# KiCad board ts52k.kicad_pcb (continued)
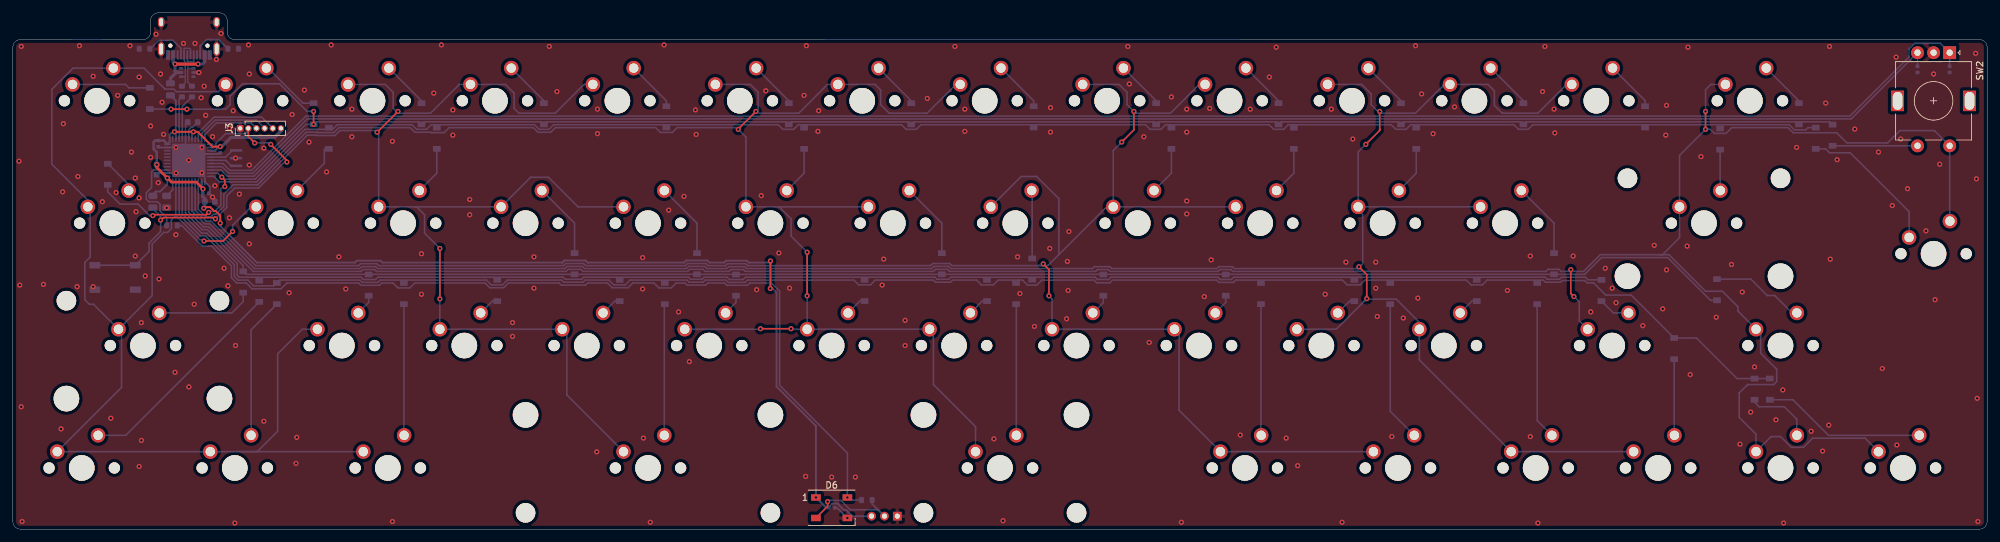
[diagram p0: board, top side]
## Copper pours and planes (outline as drawn; the poured copper is in the pictures) (continued)
col3 on Bottom: 111.54,69.34 111.28,69.36 111.06,69.4 110.88,69.46 110.73,69.54 110.59,69.64 110.46,69.75 110.33,69.87 110.18,69.99 110,70.11 109.79,70.23 108.74,69.22 109.79,68.2 110,68.32 110.18,68.44 110.33,68.56 110.46,68.68 110.59,68.79 110.73,68.89 110.88,68.97 111.06,69.03 111.28,69.08 111.54,69.09
col3 on Bottom: 149.66,14.31 149.64,14.04 149.6,13.83 149.54,13.65 149.45,13.49 149.36,13.36 149.25,13.23 149.13,13.09 149.01,12.95 148.89,12.77 148.77,12.56 149.78,11.5 150.79,12.56 150.68,12.77 150.56,12.95 150.43,13.09 150.32,13.23 150.21,13.36 150.11,13.49 150.03,13.65 149.96,13.83 149.92,14.04 149.91,14.31
col3 on Bottom: 140.39,30.99 140.66,30.98 140.88,30.93 141.06,30.87 141.21,30.79 141.34,30.69 141.47,30.58 141.61,30.46 141.76,30.34 141.93,30.22 142.15,30.1 143.2,31.12 142.15,32.13 141.93,32.01 141.76,31.89 141.61,31.77 141.47,31.65 141.34,31.54 141.21,31.44 141.06,31.36 140.88,31.3 140.66,31.26 140.39,31.24
col3 on Bottom: 143.36,29.04 143.37,29.33 143.4,29.57 143.45,29.77 143.5,29.95 143.56,30.12 143.62,30.28 143.67,30.45 143.72,30.64 143.75,30.86 143.76,31.12 142.34,31.59 142.04,30.16 142.21,30.06 142.37,29.98 142.53,29.9 142.67,29.83 142.79,29.75 142.9,29.66 142.99,29.55 143.05,29.42 143.09,29.25 143.11,29.04
col4 on Bottom: 163.93,31.24 163.67,31.26 163.45,31.3 163.27,31.36 163.12,31.44 162.98,31.54 162.85,31.65 162.72,31.77 162.57,31.89 162.39,32.01 162.18,32.13 161.12,31.12 162.18,30.1 162.39,30.22 162.57,30.34 162.72,30.46 162.85,30.58 162.98,30.69 163.12,30.79 163.27,30.87 163.45,30.93 163.67,30.98 163.93,30.99
col4 on Bottom: 178.49,30.99 178.76,30.98 178.98,30.93 179.16,30.87 179.31,30.79 179.44,30.69 179.57,30.58 179.71,30.46 179.86,30.34 180.03,30.22 180.25,30.1 181.3,31.12 180.25,32.13 180.03,32.01 179.86,31.89 179.71,31.77 179.57,31.65 179.44,31.54 179.31,31.44 179.16,31.36 178.98,31.3 178.76,31.26 178.49,31.24
col4 on Bottom: 209.45,11.94 209.72,11.93 209.93,11.88 210.11,11.82 210.26,11.74 210.4,11.64 210.53,11.53 210.66,11.41 210.81,11.29 210.99,11.17 211.2,11.05 212.26,12.07 211.2,13.08 210.99,12.96 210.81,12.84 210.66,12.72 210.53,12.6 210.4,12.49 210.26,12.39 210.11,12.31 209.93,12.25 209.72,12.2 209.45,12.19
col4 on Bottom: 153.66,51.84 153.46,51.66 153.28,51.54 153.11,51.46 152.94,51.41 152.78,51.38 152.61,51.37 152.43,51.36 152.24,51.34 152.03,51.3 151.79,51.23 151.76,49.77 153.22,49.8 153.29,50.03 153.33,50.24 153.35,50.43 153.36,50.61 153.38,50.78 153.4,50.94 153.45,51.11 153.53,51.28 153.66,51.47 153.84,51.66
col4 on Bottom: 171.09,52.41 171.07,52.14 171.03,51.93 170.97,51.75 170.88,51.59 170.79,51.46 170.68,51.33 170.56,51.2 170.44,51.05 170.32,50.87 170.2,50.66 171.21,49.6 172.22,50.66 172.11,50.87 171.99,51.05 171.86,51.2 171.75,51.33 171.64,51.46 171.54,51.59 171.46,51.75 171.39,51.93 171.35,52.14 171.34,52.41
col4 on Bottom: 181.58,29.12 181.58,29.39 181.61,29.63 181.64,29.82 181.68,30 181.72,30.16 181.76,30.32 181.8,30.48 181.83,30.66 181.85,30.87 181.86,31.12 180.38,31.55 180.26,30.1 180.43,30.02 180.6,29.96 180.75,29.9 180.89,29.84 181.01,29.78 181.12,29.69 181.21,29.59 181.27,29.47 181.31,29.31 181.33,29.12
col4 on Bottom: 190.13,12.19 189.86,12.2 189.64,12.25 189.46,12.31 189.31,12.39 189.17,12.49 189.04,12.6 188.91,12.72 188.76,12.84 188.58,12.96 188.37,13.08 187.32,12.07 188.37,11.05 188.58,11.17 188.76,11.29 188.91,11.41 189.04,11.53 189.17,11.64 189.31,11.74 189.46,11.82 189.64,11.88 189.86,11.93 190.13,11.94
col4 on Bottom: 183.68,68.13 183.84,68.27 183.98,68.36 184.12,68.4 184.26,68.42 184.4,68.4 184.54,68.37 184.68,68.31 184.84,68.25 185.01,68.19 185.19,68.13 186.05,69.31 184.7,70.01 184.53,69.82 184.4,69.65 184.3,69.49 184.21,69.34 184.14,69.19 184.06,69.04 183.97,68.88 183.85,68.71 183.7,68.52 183.51,68.31
col4 on Bottom: 169.38,49.19 169.53,49.32 169.67,49.4 169.8,49.44 169.93,49.45 170.06,49.43 170.19,49.39 170.33,49.33 170.64,49.19 170.81,49.12 171.77,50.21 170.42,50.96 170.25,50.78 170.12,50.62 170.01,50.47 169.92,50.33 169.84,50.19 169.76,50.05 169.66,49.9 169.54,49.74 169.39,49.57 169.21,49.37
col4 on Bottom: 188.02,50.04 188.28,50.03 188.5,49.98 188.68,49.92 188.83,49.84 188.97,49.74 189.1,49.63 189.23,49.51 189.38,49.39 189.56,49.27 189.77,49.15 190.82,50.17 189.77,51.18 189.56,51.06 189.38,50.94 189.23,50.82 189.1,50.7 188.97,50.59 188.83,50.49 188.68,50.41 188.5,50.35 188.28,50.31 188.02,50.29
col4 on Bottom: 186.2,13.56 186.38,13.37 186.51,13.18 186.59,13.01 186.64,12.84 186.66,12.68 186.68,12.51 186.69,12.33 186.71,12.14 186.75,11.93 186.82,11.7 188.28,11.67 188.25,13.13 188.02,13.2 187.81,13.24 187.61,13.26 187.44,13.27 187.27,13.28 187.1,13.31 186.94,13.36 186.76,13.44 186.58,13.56 186.38,13.74
col4 on Bottom: 168.69,69.34 168.43,69.36 168.21,69.4 168.03,69.46 167.88,69.54 167.74,69.64 167.61,69.75 167.48,69.87 167.33,69.99 167.15,70.11 166.94,70.23 165.89,69.22 166.94,68.2 167.15,68.32 167.33,68.44 167.48,68.56 167.61,68.68 167.74,68.79 167.88,68.89 168.03,68.97 168.21,69.03 168.43,69.08 168.69,69.09
col4 on Bottom: 161.56,33.36 161.55,33.09 161.51,32.88 161.44,32.7 161.36,32.54 161.26,32.41 161.15,32.28 161.03,32.15 160.91,32 160.79,31.82 160.67,31.61 161.69,30.55 162.7,31.61 162.58,31.82 162.46,32 162.34,32.15 162.22,32.28 162.11,32.41 162.01,32.54 161.93,32.7 161.87,32.88 161.83,33.09 161.81,33.36
col4 on Bottom: 173.46,50.29 173.19,50.31 172.97,50.35 172.79,50.41 172.64,50.49 172.51,50.59 172.38,50.7 172.24,50.82 172.09,50.94 171.92,51.06 171.7,51.18 170.65,50.17 171.7,49.15 171.92,49.27 172.09,49.39 172.24,49.51 172.38,49.63 172.51,49.74 172.64,49.84 172.79,49.92 172.97,49.98 173.19,50.03 173.46,50.04
col5 on Bottom: 202.03,31.24 201.77,31.26 201.55,31.3 201.37,31.36 201.22,31.44 201.08,31.54 200.95,31.65 200.82,31.77 200.67,31.89 200.49,32.01 200.28,32.13 199.22,31.12 200.28,30.1 200.49,30.22 200.67,30.34 200.82,30.46 200.95,30.58 201.08,30.69 201.22,30.79 201.37,30.87 201.55,30.93 201.77,30.98 202.03,30.99
col5 on Bottom: 218.96,28.86 218.98,29.13 219.02,29.35 219.08,29.53 219.16,29.68 219.26,29.82 219.37,29.95 219.49,30.08 219.61,30.23 219.73,30.41 219.85,30.63 218.84,31.68 217.82,30.63 217.94,30.41 218.06,30.23 218.18,30.08 218.3,29.95 218.41,29.82 218.51,29.68 218.59,29.53 218.66,29.35 218.7,29.13 218.71,28.86
col5 on Bottom: 210.15,48.12 210.16,48.4 210.18,48.64 210.21,48.84 210.25,49.02 210.29,49.19 210.34,49.35 210.38,49.52 210.41,49.7 210.43,49.91 210.44,50.17 209.06,50.67 208.62,49.28 208.8,49.16 208.98,49.06 209.16,48.98 209.33,48.92 209.49,48.85 209.62,48.77 209.74,48.66 209.83,48.53 209.88,48.35 209.9,48.12
col5 on Bottom: 217.91,32.95 218.03,32.81 218.11,32.67 218.15,32.54 218.16,32.41 218.13,32.28 218.09,32.16 218.03,32.02 217.88,31.73 217.81,31.57 218.86,30.55 219.63,31.91 219.46,32.08 219.3,32.21 219.16,32.31 219.02,32.4 218.89,32.49 218.75,32.57 218.61,32.67 218.46,32.79 218.28,32.94 218.09,33.12
col5 on Bottom: 225.84,69.34 225.58,69.36 225.36,69.4 225.18,69.46 225.03,69.54 224.89,69.64 224.76,69.75 224.63,69.87 224.48,69.99 224.3,70.11 224.09,70.23 223.04,69.22 224.09,68.2 224.3,68.32 224.48,68.44 224.63,68.56 224.76,68.68 224.89,68.79 225.03,68.89 225.18,68.97 225.36,69.03 225.58,69.08 225.84,69.09
col5 on Bottom: 221.79,68.11 221.94,68.25 222.09,68.34 222.23,68.39 222.37,68.4 222.51,68.39 222.65,68.35 222.8,68.3 222.96,68.24 223.13,68.18 223.32,68.13 224.15,69.32 222.8,70.01 222.63,69.82 222.5,69.65 222.4,69.49 222.31,69.33 222.24,69.18 222.16,69.03 222.07,68.86 221.96,68.69 221.81,68.5 221.61,68.29
col5 on Bottom: 206.79,69.34 206.53,69.36 206.31,69.4 206.13,69.46 205.98,69.54 205.84,69.64 205.71,69.75 205.58,69.87 205.43,69.99 205.25,70.11 205.04,70.23 203.99,69.22 205.04,68.2 205.25,68.32 205.43,68.44 205.58,68.56 205.71,68.68 205.84,68.79 205.98,68.89 206.13,68.97 206.31,69.03 206.53,69.08 206.79,69.09
col5 on Bottom: 226.12,50.04 226.38,50.03 226.6,49.98 226.78,49.92 226.93,49.84 227.07,49.74 227.2,49.63 227.33,49.51 227.48,49.39 227.66,49.27 227.87,49.15 228.92,50.17 227.87,51.18 227.66,51.06 227.48,50.94 227.33,50.82 227.2,50.7 227.07,50.59 226.93,50.49 226.78,50.41 226.6,50.35 226.38,50.31 226.12,50.29
col5 on Bottom: 235.37,12.19 235.1,12.21 234.88,12.25 234.71,12.31 234.55,12.39 234.42,12.49 234.29,12.6 234.15,12.72 234,12.84 233.83,12.96 233.61,13.08 232.56,12.07 233.61,11.05 233.83,11.17 234,11.29 234.15,11.41 234.29,11.53 234.42,11.64 234.55,11.74 234.71,11.82 234.88,11.88 235.1,11.93 235.37,11.94
col5 on Bottom: 211.56,50.29 211.29,50.31 211.07,50.35 210.89,50.41 210.74,50.49 210.61,50.59 210.48,50.7 210.34,50.82 210.19,50.94 210.02,51.06 209.8,51.18 208.75,50.17 209.8,49.15 210.02,49.27 210.19,49.39 210.34,49.51 210.48,49.63 210.61,49.74 210.74,49.84 210.89,49.92 211.07,49.98 211.29,50.03 211.56,50.04
col5 on Bottom: 240.76,68.03 240.92,68.18 241.08,68.27 241.22,68.32 241.36,68.34 241.51,68.33 241.65,68.3 241.81,68.26 241.97,68.21 242.15,68.15 242.35,68.11 243.1,69.36 241.76,70.01 241.59,69.82 241.45,69.64 241.35,69.47 241.28,69.3 241.21,69.14 241.13,68.98 241.05,68.81 240.93,68.63 240.78,68.43 240.58,68.21
col5 on Bottom: 231.45,13.56 231.63,13.37 231.75,13.18 231.83,13.01 231.88,12.84 231.91,12.68 231.92,12.51 231.93,12.33 231.95,12.14 231.99,11.93 232.06,11.7 233.52,11.67 233.49,13.13 233.26,13.2 233.05,13.24 232.86,13.26 232.68,13.27 232.51,13.28 232.35,13.31 232.18,13.36 232.01,13.44 231.82,13.56 231.63,13.74
col5 on Bottom: 249.93,11.94 250.2,11.93 250.41,11.88 250.59,11.82 250.75,11.74 250.88,11.64 251.01,11.53 251.14,11.41 251.29,11.29 251.47,11.17 251.68,11.05 252.74,12.07 251.68,13.08 251.47,12.96 251.29,12.84 251.14,12.72 251.01,12.6 250.88,12.49 250.75,12.39 250.59,12.31 250.41,12.25 250.2,12.21 249.93,12.19
col5 on Bottom: 209.19,52.41 209.17,52.14 209.13,51.93 209.07,51.75 208.98,51.59 208.89,51.46 208.78,51.33 208.66,51.2 208.54,51.05 208.42,50.87 208.3,50.66 209.31,49.6 210.32,50.66 210.21,50.87 210.09,51.05 209.96,51.2 209.85,51.33 209.74,51.46 209.64,51.59 209.56,51.75 209.49,51.93 209.45,52.14 209.44,52.41
col6 on Bottom: 243.6,32.83 243.61,32.59 243.63,32.39 243.66,32.22 243.71,32.07 243.75,31.93 243.8,31.8 243.84,31.66 243.87,31.51 243.9,31.33 243.91,31.12 245.43,30.72 245.4,32.18 245.19,32.23 244.97,32.26 244.75,32.27 244.55,32.27 244.36,32.28 244.19,32.31 244.05,32.36 243.94,32.46 243.87,32.61 243.85,32.83
col6 on Bottom: 271.1,14.31 271.08,14.04 271.04,13.83 270.98,13.65 270.9,13.49 270.8,13.36 270.69,13.23 270.57,13.1 270.45,12.95 270.33,12.77 270.21,12.56 271.22,11.5 272.24,12.56 272.12,12.77 272,12.95 271.88,13.1 271.76,13.23 271.65,13.36 271.55,13.49 271.47,13.65 271.41,13.83 271.36,14.04 271.35,14.31
col6 on Bottom: 301.22,50.2 301.21,49.93 301.17,49.7 301.1,49.52 301.02,49.37 300.93,49.23 300.82,49.09 300.7,48.95 300.59,48.8 300.47,48.62 300.36,48.4 301.41,47.38 302.38,48.47 302.26,48.68 302.13,48.85 302.01,49 301.89,49.13 301.78,49.25 301.68,49.39 301.59,49.54 301.53,49.72 301.49,49.93 301.47,50.2
col6 on Bottom: 272.72,13.74 272.52,13.56 272.34,13.44 272.17,13.36 272,13.31 271.84,13.28 271.67,13.27 271.49,13.26 271.3,13.24 271.09,13.2 270.86,13.13 270.83,11.67 272.29,11.7 272.36,11.93 272.39,12.14 272.41,12.33 272.43,12.51 272.44,12.68 272.47,12.84 272.52,13.01 272.6,13.18 272.72,13.37 272.9,13.56
col6 on Bottom: 259.19,52.41 259.18,52.14 259.14,51.93 259.07,51.75 258.99,51.59 258.89,51.46 258.78,51.33 258.67,51.2 258.54,51.05 258.42,50.87 258.31,50.66 259.32,49.6 260.33,50.66 260.21,50.87 260.09,51.05 259.97,51.2 259.85,51.33 259.74,51.46 259.65,51.59 259.56,51.75 259.5,51.93 259.46,52.14 259.44,52.41
col6 on Bottom: 259.44,47.92 259.46,48.19 259.5,48.41 259.56,48.58 259.65,48.74 259.74,48.87 259.85,49 259.97,49.14 260.09,49.29 260.21,49.46 260.33,49.68 259.32,50.73 258.31,49.68 258.42,49.46 258.54,49.29 258.67,49.14 258.78,49 258.89,48.87 258.99,48.74 259.07,48.58 259.14,48.41 259.18,48.19 259.19,47.92
col6 on Bottom: 301.47,57.67 301.49,57.91 301.52,58.1 301.58,58.26 301.65,58.4 301.73,58.52 301.83,58.63 301.93,58.75 302.04,58.88 302.14,59.04 302.25,59.23 301.35,60.16 300.45,59.23 300.55,59.04 300.66,58.88 300.76,58.75 300.87,58.63 300.96,58.52 301.05,58.4 301.12,58.26 301.17,58.1 301.21,57.91 301.22,57.67
col6 on Bottom: 269.55,32.61 269.73,32.42 269.85,32.23 269.93,32.06 269.98,31.89 270.01,31.73 270.02,31.56 270.03,31.38 270.05,31.19 270.09,30.98 270.16,30.75 271.62,30.72 271.59,32.18 271.36,32.25 271.15,32.29 270.96,32.31 270.78,32.32 270.61,32.33 270.45,32.36 270.28,32.41 270.11,32.49 269.92,32.61 269.73,32.79
col6 on Bottom: 299.85,60.98 300.01,60.81 300.12,60.64 300.19,60.49 300.24,60.35 300.26,60.2 300.28,60.05 300.29,59.9 300.31,59.73 300.34,59.54 300.4,59.34 301.7,59.31 301.68,60.61 301.47,60.67 301.28,60.7 301.12,60.72 300.96,60.73 300.81,60.75 300.67,60.77 300.52,60.82 300.37,60.89 300.21,61 300.03,61.16
col6 on Bottom: 264.22,69.09 264.48,69.08 264.7,69.03 264.88,68.97 265.03,68.89 265.17,68.79 265.3,68.68 265.43,68.56 265.58,68.44 265.76,68.32 265.97,68.2 267.02,69.22 265.97,70.23 265.76,70.11 265.58,69.99 265.43,69.87 265.3,69.75 265.17,69.64 265.03,69.54 264.88,69.46 264.7,69.4 264.48,69.36 264.22,69.34
col6 on Bottom: 272.06,29.12 272.07,29.39 272.09,29.62 272.13,29.82 272.17,30 272.21,30.16 272.25,30.31 272.29,30.48 272.32,30.66 272.34,30.87 272.35,31.12 270.87,31.55 270.75,30.1 270.92,30.02 271.08,29.96 271.24,29.9 271.38,29.84 271.5,29.77 271.61,29.69 271.7,29.59 271.76,29.47 271.8,29.31 271.81,29.12
col6 on Bottom: 288.6,13.56 288.78,13.37 288.9,13.18 288.98,13.01 289.03,12.84 289.06,12.68 289.07,12.51 289.08,12.33 289.1,12.14 289.14,11.93 289.21,11.7 290.67,11.67 290.64,13.13 290.41,13.2 290.2,13.24 290.01,13.26 289.83,13.27 289.66,13.28 289.5,13.31 289.33,13.36 289.16,13.44 288.97,13.56 288.78,13.74
RESET on Top: 36.76,61.4 36.76,61.51 36.78,61.61 36.8,61.69 36.83,61.76 36.86,61.82 36.9,61.88 36.99,62.01 37.03,62.08 37.08,62.17 36.63,62.64 36.18,62.17 36.23,62.08 36.28,62.01 36.36,61.88 36.4,61.82 36.44,61.76 36.47,61.69 36.49,61.61 36.5,61.51 36.51,61.4
RGB2 on Bottom: 134.57,2.89 134.68,2.77 134.76,2.66 134.81,2.56 134.84,2.47 134.87,2.37 134.88,2.27 134.89,2.17 134.91,2.06 134.93,1.94 134.98,1.8 135.85,1.79 135.83,2.66 135.7,2.7 135.58,2.73 135.47,2.74 135.36,2.76 135.27,2.77 135.17,2.79 135.07,2.83 134.97,2.88 134.87,2.96 134.75,3.06
RGB2 on Bottom: 134.56,2.9 134.67,2.78 134.75,2.67 134.8,2.57 134.84,2.47 134.86,2.38 134.88,2.28 134.89,2.17 134.91,2.06 134.93,1.94 134.98,1.8 135.85,1.79 135.83,2.66 135.7,2.7 135.57,2.73 135.46,2.75 135.36,2.76 135.26,2.78 135.16,2.8 135.07,2.83 134.97,2.89 134.86,2.97 134.74,3.07
rpg1 on Bottom: 301.47,72.17 301.49,72.41 301.52,72.6 301.58,72.76 301.65,72.9 301.74,73.02 301.83,73.13 301.93,73.25 302.04,73.38 302.15,73.54 302.25,73.73 301.35,74.66 300.45,73.73 300.55,73.54 300.66,73.38 300.76,73.25 300.87,73.13 300.96,73.02 301.05,72.9 301.12,72.76 301.18,72.6 301.21,72.41 301.22,72.17
rpg1 on Bottom: 299.85,75.48 300.01,75.31 300.12,75.14 300.19,74.99 300.24,74.85 300.26,74.7 300.28,74.55 300.29,74.4 300.31,74.23 300.34,74.04 300.4,73.84 301.7,73.81 301.68,75.11 301.47,75.17 301.28,75.2 301.12,75.22 300.96,75.23 300.81,75.25 300.67,75.27 300.52,75.32 300.37,75.39 300.21,75.5 300.03,75.66
rpg2 on Bottom: 295.03,72.67 295.21,72.83 295.37,72.94 295.52,73.01 295.67,73.05 295.81,73.08 295.96,73.09 296.12,73.1 296.28,73.12 296.47,73.16 296.68,73.22 296.7,74.52 295.4,74.49 295.34,74.29 295.31,74.1 295.29,73.93 295.28,73.77 295.26,73.63 295.24,73.48 295.19,73.33 295.12,73.18 295.01,73.02 294.85,72.84
rpg2 on Bottom: 296.47,72.17 296.48,72.41 296.52,72.6 296.57,72.76 296.65,72.89 296.73,73.01 296.83,73.13 296.93,73.25 297.04,73.38 297.14,73.54 297.25,73.72 296.35,74.66 295.45,73.73 295.55,73.54 295.65,73.39 295.76,73.25 295.86,73.13 295.96,73.02 296.04,72.9 296.12,72.76 296.17,72.6 296.21,72.41 296.22,72.17
Net-(D2-Pad2) on Bottom: 11.53,69.34 11.27,69.36 11.05,69.4 10.87,69.46 10.72,69.54 10.58,69.64 10.45,69.75 10.32,69.87 10.17,69.99 9.99,70.11 9.78,70.23 8.72,69.22 9.78,68.2 9.99,68.32 10.17,68.44 10.32,68.56 10.45,68.68 10.58,68.79 10.72,68.89 10.87,68.97 11.05,69.03 11.27,69.08 11.53,69.09
Net-(D3-Pad2) on Bottom: 16.97,54.53 17.1,54.38 17.19,54.23 17.23,54.09 17.25,53.96 17.23,53.82 17.19,53.69 17.14,53.54 17.07,53.39 17.01,53.22 16.95,53.04 18.1,52.15 18.81,53.5 18.63,53.67 18.46,53.8 18.31,53.91 18.16,53.99 18.01,54.07 17.86,54.15 17.71,54.25 17.54,54.36 17.35,54.51 17.15,54.7
Net-(D4-Pad2) on Bottom: 25.03,33.78 24.76,33.8 24.54,33.84 24.36,33.9 24.21,33.98 24.07,34.08 23.94,34.19 23.81,34.31 23.66,34.43 23.48,34.55 23.27,34.67 22.22,33.66 23.27,32.64 23.48,32.76 23.66,32.88 23.81,33 23.94,33.12 24.07,33.23 24.21,33.33 24.36,33.41 24.54,33.47 24.76,33.52 25.03,33.53
Net-(D5-Pad2) on Bottom: 15.5,14.73 15.23,14.75 15.02,14.79 14.84,14.85 14.68,14.93 14.55,15.03 14.42,15.14 14.29,15.26 14.14,15.38 13.96,15.5 13.75,15.62 12.69,14.61 13.75,13.59 13.96,13.71 14.14,13.83 14.29,13.95 14.42,14.07 14.55,14.18 14.68,14.28 14.84,14.36 15.02,14.42 15.23,14.47 15.5,14.48
Net-(D7-Pad1) on Bottom: 41.24,70.38 41.06,70.59 40.92,70.78 40.83,70.96 40.77,71.13 40.73,71.3 40.7,71.47 40.67,71.65 40.62,71.84 40.55,72.05 40.45,72.28 39,72.09 39.24,70.65 39.47,70.62 39.68,70.61 39.87,70.61 40.05,70.62 40.21,70.62 40.37,70.6 40.53,70.56 40.7,70.49 40.88,70.37 41.07,70.2
Net-(D8-Pad1) on Bottom: 45.71,54.38 45.51,54.2 45.33,54.08 45.16,54 44.99,53.95 44.83,53.92 44.66,53.91 44.48,53.9 44.29,53.88 44.08,53.84 43.84,53.77 43.81,52.31 45.27,52.34 45.34,52.57 45.38,52.78 45.4,52.97 45.41,53.15 45.43,53.32 45.45,53.48 45.5,53.65 45.58,53.82 45.71,54.01 45.89,54.2
Net-(D9-Pad2) on Bottom: 36.94,16.85 36.93,16.58 36.89,16.37 36.82,16.19 36.74,16.03 36.64,15.9 36.53,15.77 36.42,15.64 36.29,15.49 36.17,15.31 36.06,15.1 37.07,14.04 38.08,15.1 37.96,15.31 37.84,15.49 37.72,15.64 37.6,15.77 37.49,15.9 37.4,16.03 37.31,16.19 37.25,16.37 37.21,16.58 37.19,16.85
Net-(D11-Pad2) on Bottom: 60.18,70.26 60,70.46 59.87,70.64 59.79,70.81 59.74,70.98 59.72,71.14 59.7,71.31 59.69,71.49 59.67,71.68 59.63,71.89 59.56,72.12 58.1,72.15 58.13,70.69 58.36,70.62 58.57,70.59 58.77,70.57 58.94,70.55 59.11,70.54 59.28,70.51 59.44,70.46 59.62,70.38 59.8,70.26 60,70.08
Net-(D12-Pad2) on Bottom: 64.76,54.38 64.56,54.2 64.38,54.08 64.21,54 64.04,53.95 63.88,53.92 63.71,53.91 63.53,53.9 63.34,53.88 63.13,53.84 62.89,53.77 62.86,52.31 64.32,52.34 64.39,52.57 64.43,52.78 64.45,52.97 64.46,53.15 64.48,53.32 64.5,53.48 64.55,53.65 64.63,53.82 64.76,54.01 64.94,54.2
Net-(D13-Pad1) on Bottom: 55.24,35.33 55.04,35.15 54.85,35.03 54.68,34.95 54.52,34.9 54.35,34.87 54.18,34.86 54,34.85 53.81,34.83 53.6,34.79 53.37,34.72 53.34,33.26 54.8,33.29 54.87,33.52 54.91,33.73 54.93,33.92 54.94,34.1 54.95,34.27 54.98,34.43 55.03,34.6 55.11,34.77 55.23,34.96 55.41,35.15
Net-(D14-Pad1) on Bottom: 60.72,16.86 60.7,16.59 60.66,16.37 60.6,16.18 60.52,16.03 60.42,15.89 60.31,15.76 60.2,15.62 60.08,15.46 59.96,15.28 59.85,15.06 60.9,14.04 61.88,15.13 61.75,15.34 61.63,15.51 61.5,15.66 61.38,15.79 61.27,15.92 61.17,16.05 61.09,16.2 61.02,16.38 60.98,16.59 60.97,16.86
Net-(D16-Pad1) on Bottom: 79.23,70.26 79.05,70.46 78.92,70.64 78.84,70.81 78.79,70.98 78.77,71.14 78.75,71.31 78.74,71.49 78.72,71.68 78.68,71.89 78.61,72.12 77.15,72.15 77.18,70.69 77.41,70.62 77.62,70.59 77.82,70.57 77.99,70.55 78.16,70.54 78.33,70.51 78.49,70.46 78.67,70.38 78.85,70.26 79.05,70.08
Net-(D17-Pad2) on Bottom: 83.99,51.21 83.81,51.41 83.68,51.59 83.6,51.76 83.55,51.93 83.53,52.09 83.51,52.26 83.5,52.44 83.48,52.63 83.44,52.84 83.37,53.07 81.91,53.1 81.94,51.64 82.18,51.57 82.39,51.54 82.58,51.52 82.76,51.5 82.93,51.49 83.09,51.46 83.26,51.41 83.43,51.33 83.61,51.21 83.81,51.03
Net-(D18-Pad2) on Bottom: 74.29,35.33 74.09,35.15 73.9,35.03 73.73,34.95 73.57,34.9 73.4,34.87 73.23,34.86 73.05,34.85 72.86,34.83 72.65,34.79 72.42,34.72 72.39,33.26 73.85,33.29 73.92,33.52 73.96,33.73 73.98,33.92 73.99,34.1 74,34.27 74.03,34.43 74.08,34.6 74.16,34.77 74.28,34.96 74.46,35.15
Net-(D20-Pad1) on Bottom: 98.28,70.26 98.1,70.46 97.97,70.64 97.89,70.81 97.84,70.98 97.82,71.14 97.8,71.31 97.79,71.49 97.77,71.68 97.73,71.89 97.66,72.12 96.2,72.15 96.23,70.69 96.46,70.62 96.67,70.59 96.87,70.57 97.04,70.55 97.21,70.54 97.38,70.51 97.54,70.46 97.72,70.38 97.9,70.26 98.1,70.08
Net-(D21-Pad1) on Bottom: 103.04,51.21 102.86,51.41 102.73,51.59 102.65,51.76 102.6,51.93 102.58,52.09 102.56,52.26 102.55,52.44 102.53,52.63 102.49,52.84 102.42,53.07 100.96,53.1 100.99,51.64 101.23,51.57 101.44,51.54 101.63,51.52 101.81,51.5 101.98,51.49 102.14,51.46 102.31,51.41 102.48,51.33 102.66,51.21 102.86,51.03
Net-(D22-Pad1) on Bottom: 93.34,35.33 93.14,35.15 92.95,35.03 92.78,34.95 92.62,34.9 92.45,34.87 92.28,34.86 92.1,34.85 91.91,34.83 91.7,34.79 91.47,34.72 91.44,33.26 92.9,33.29 92.97,33.52 93.01,33.73 93.03,33.92 93.04,34.1 93.05,34.27 93.08,34.43 93.13,34.6 93.21,34.77 93.33,34.96 93.51,35.15
Net-(D23-Pad2) on Bottom: 101.24,16.85 101.22,16.58 101.18,16.37 101.12,16.19 101.03,16.03 100.94,15.9 100.83,15.77 100.71,15.64 100.59,15.49 100.47,15.31 100.35,15.1 101.36,14.04 102.37,15.1 102.26,15.31 102.14,15.49 102.01,15.64 101.9,15.77 101.79,15.9 101.69,16.03 101.61,16.19 101.54,16.37 101.5,16.58 101.49,16.85
Net-(D25-Pad2) on Bottom: 117.33,70.26 117.15,70.46 117.02,70.64 116.94,70.81 116.89,70.98 116.87,71.14 116.85,71.31 116.84,71.49 116.82,71.68 116.78,71.89 116.71,72.12 115.25,72.15 115.28,70.69 115.51,70.62 115.72,70.59 115.92,70.57 116.09,70.55 116.26,70.54 116.43,70.51 116.59,70.46 116.77,70.38 116.95,70.26 117.15,70.08
Net-(D26-Pad2) on Bottom: 121.91,54.38 121.71,54.2 121.53,54.08 121.36,54 121.19,53.95 121.03,53.92 120.86,53.91 120.68,53.9 120.49,53.87 120.28,53.84 120.04,53.77 120.01,52.31 121.48,52.34 121.54,52.57 121.58,52.78 121.6,52.97 121.61,53.15 121.63,53.32 121.65,53.48 121.7,53.65 121.78,53.82 121.91,54.01 122.09,54.2
Net-(D27-Pad2) on Bottom: 112.39,35.33 112.19,35.15 112,35.03 111.83,34.95 111.67,34.9 111.5,34.87 111.33,34.86 111.15,34.85 110.96,34.83 110.75,34.79 110.52,34.72 110.49,33.26 111.95,33.29 112.02,33.52 112.06,33.73 112.08,33.92 112.09,34.1 112.1,34.27 112.13,34.43 112.18,34.6 112.26,34.77 112.38,34.96 112.56,35.15
Net-(D29-Pad1) on Bottom: 136.38,70.26 136.2,70.46 136.07,70.64 135.99,70.81 135.94,70.98 135.92,71.14 135.9,71.31 135.89,71.49 135.87,71.68 135.83,71.89 135.76,72.12 134.3,72.15 134.33,70.69 134.56,70.62 134.77,70.59 134.97,70.57 135.14,70.55 135.31,70.54 135.48,70.51 135.64,70.46 135.82,70.38 136,70.26 136.2,70.08
Net-(D30-Pad1) on Bottom: 141.14,51.21 140.96,51.41 140.83,51.59 140.75,51.76 140.7,51.93 140.68,52.09 140.66,52.26 140.65,52.44 140.63,52.63 140.59,52.84 140.52,53.07 139.06,53.1 139.09,51.64 139.33,51.57 139.54,51.54 139.73,51.52 139.91,51.5 140.08,51.49 140.24,51.46 140.41,51.41 140.58,51.33 140.76,51.21 140.96,51.03
Net-(D31-Pad2) on Bottom: 131.44,35.33 131.24,35.15 131.05,35.03 130.88,34.95 130.72,34.9 130.55,34.87 130.38,34.86 130.2,34.85 130.01,34.83 129.8,34.79 129.57,34.72 129.54,33.26 131,33.29 131.07,33.52 131.11,33.73 131.13,33.92 131.14,34.1 131.15,34.27 131.18,34.43 131.23,34.6 131.31,34.77 131.43,34.96 131.61,35.15
Net-(D33-Pad1) on Bottom: 155.43,70.26 155.25,70.46 155.12,70.64 155.04,70.81 154.99,70.98 154.97,71.14 154.95,71.31 154.94,71.49 154.92,71.68 154.88,71.89 154.81,72.12 153.35,72.15 153.38,70.69 153.61,70.62 153.82,70.59 154.02,70.57 154.19,70.55 154.36,70.54 154.53,70.51 154.69,70.46 154.87,70.38 155.05,70.26 155.25,70.08
Net-(D34-Pad2) on Bottom: 158.72,50.45 158.73,50.72 158.77,50.95 158.84,51.14 158.92,51.29 159.01,51.44 159.12,51.57 159.23,51.71 159.34,51.87 159.45,52.06 159.56,52.29 158.47,53.27 157.54,52.14 157.67,51.94 157.8,51.78 157.93,51.63 158.05,51.51 158.16,51.38 158.26,51.25 158.35,51.1 158.41,50.93 158.45,50.71 158.47,50.45
Net-(D35-Pad1) on Bottom: 150.49,35.33 150.29,35.15 150.1,35.03 149.93,34.95 149.77,34.9 149.6,34.87 149.43,34.86 149.25,34.85 149.06,34.83 148.85,34.79 148.62,34.72 148.59,33.26 150.05,33.29 150.12,33.52 150.16,33.73 150.18,33.92 150.19,34.1 150.2,34.27 150.23,34.43 150.28,34.6 150.36,34.77 150.48,34.96 150.66,35.15
Net-(D37-Pad2) on Bottom: 174.48,70.26 174.3,70.46 174.17,70.64 174.09,70.81 174.04,70.98 174.02,71.14 174,71.31 173.99,71.49 173.97,71.68 173.93,71.89 173.86,72.12 172.4,72.15 172.43,70.69 172.66,70.62 172.87,70.59 173.07,70.57 173.24,70.55 173.41,70.54 173.58,70.51 173.74,70.46 173.92,70.38 174.1,70.26 174.3,70.08
Net-(D38-Pad2) on Bottom: 179.06,54.38 178.86,54.2 178.68,54.08 178.51,54 178.34,53.95 178.18,53.92 178.01,53.91 177.83,53.9 177.64,53.88 177.43,53.84 177.19,53.77 177.16,52.31 178.62,52.34 178.69,52.57 178.73,52.78 178.75,52.97 178.76,53.15 178.78,53.32 178.8,53.48 178.85,53.65 178.93,53.82 179.06,54.01 179.24,54.2
Net-(D39-Pad2) on Bottom: 169.54,35.33 169.34,35.15 169.15,35.03 168.98,34.95 168.82,34.9 168.65,34.87 168.48,34.86 168.3,34.85 168.11,34.83 167.9,34.79 167.67,34.72 167.64,33.26 169.1,33.29 169.17,33.52 169.21,33.73 169.23,33.92 169.24,34.1 169.25,34.27 169.28,34.43 169.33,34.6 169.41,34.77 169.53,34.96 169.71,35.15
Net-(D40-Pad1) on Bottom: 156.01,16.85 155.99,16.58 155.95,16.37 155.89,16.19 155.8,16.03 155.71,15.9 155.6,15.77 155.48,15.63 155.36,15.49 155.24,15.31 155.12,15.1 156.13,14.04 157.14,15.1 157.03,15.31 156.91,15.49 156.78,15.63 156.67,15.77 156.56,15.9 156.46,16.03 156.38,16.19 156.31,16.37 156.27,16.58 156.26,16.85
Net-(D42-Pad1) on Bottom: 193.53,70.26 193.35,70.46 193.22,70.64 193.14,70.81 193.09,70.98 193.07,71.14 193.05,71.31 193.04,71.49 193.02,71.68 192.98,71.89 192.91,72.12 191.45,72.15 191.48,70.69 191.71,70.62 191.92,70.59 192.12,70.57 192.29,70.55 192.46,70.54 192.63,70.51 192.79,70.46 192.97,70.38 193.15,70.26 193.35,70.08
Net-(D43-Pad1) on Bottom: 198.11,54.38 197.91,54.2 197.73,54.08 197.56,54 197.39,53.95 197.23,53.92 197.06,53.91 196.88,53.9 196.69,53.88 196.48,53.84 196.24,53.77 196.21,52.31 197.67,52.34 197.74,52.57 197.78,52.78 197.8,52.97 197.81,53.15 197.83,53.32 197.85,53.48 197.9,53.65 197.98,53.82 198.11,54.01 198.29,54.2
Net-(D44-Pad1) on Bottom: 188.59,35.33 188.39,35.15 188.2,35.03 188.03,34.95 187.87,34.9 187.7,34.87 187.53,34.86 187.35,34.85 187.16,34.83 186.95,34.79 186.72,34.72 186.69,33.26 188.15,33.29 188.22,33.52 188.26,33.73 188.28,33.92 188.29,34.1 188.3,34.27 188.33,34.43 188.38,34.6 188.46,34.77 188.58,34.96 188.76,35.15
Net-(D46-Pad2) on Bottom: 212.58,70.26 212.4,70.46 212.27,70.64 212.19,70.81 212.14,70.98 212.12,71.14 212.1,71.31 212.09,71.49 212.07,71.68 212.03,71.89 211.96,72.12 210.5,72.15 210.53,70.69 210.76,70.62 210.97,70.59 211.17,70.57 211.34,70.55 211.51,70.54 211.68,70.51 211.84,70.46 212.02,70.38 212.2,70.26 212.4,70.08
Net-(D47-Pad2) on Bottom: 217.16,54.38 216.96,54.2 216.78,54.08 216.61,54 216.44,53.95 216.28,53.92 216.11,53.91 215.93,53.9 215.74,53.88 215.53,53.84 215.29,53.77 215.26,52.31 216.72,52.34 216.79,52.57 216.83,52.78 216.85,52.97 216.86,53.15 216.88,53.32 216.9,53.48 216.95,53.65 217.03,53.82 217.16,54.01 217.34,54.2
Net-(D48-Pad2) on Bottom: 207.64,35.33 207.44,35.15 207.25,35.03 207.08,34.95 206.92,34.9 206.75,34.87 206.58,34.86 206.4,34.85 206.21,34.83 206,34.79 205.77,34.72 205.74,33.26 207.2,33.29 207.27,33.52 207.31,33.73 207.33,33.92 207.34,34.1 207.35,34.27 207.38,34.43 207.43,34.6 207.51,34.77 207.63,34.96 207.81,35.15
Net-(D49-Pad2) on Bottom: 194.07,16.86 194.05,16.59 194.01,16.37 193.95,16.18 193.87,16.03 193.77,15.89 193.66,15.76 193.55,15.62 193.43,15.46 193.31,15.28 193.2,15.06 194.25,14.04 195.23,15.13 195.1,15.34 194.98,15.51 194.85,15.66 194.73,15.79 194.62,15.92 194.52,16.05 194.44,16.2 194.37,16.38 194.33,16.59 194.32,16.86
Net-(D51-Pad1) on Bottom: 231.63,70.26 231.45,70.46 231.32,70.64 231.24,70.81 231.19,70.98 231.17,71.14 231.15,71.31 231.14,71.49 231.12,71.68 231.08,71.89 231.01,72.12 229.55,72.15 229.58,70.69 229.81,70.62 230.02,70.59 230.22,70.57 230.39,70.55 230.56,70.54 230.73,70.51 230.89,70.46 231.07,70.38 231.25,70.26 231.45,70.08
Net-(D52-Pad1) on Bottom: 226.69,35.33 226.49,35.15 226.3,35.03 226.13,34.95 225.97,34.9 225.8,34.87 225.63,34.86 225.45,34.85 225.26,34.83 225.05,34.79 224.82,34.72 224.79,33.26 226.25,33.29 226.32,33.52 226.36,33.73 226.38,33.92 226.39,34.1 226.4,34.27 226.43,34.43 226.48,34.6 226.56,34.77 226.68,34.96 226.86,35.15
Net-(D53-Pad1) on Bottom: 216.37,16.1 216.55,15.91 216.67,15.72 216.75,15.55 216.8,15.38 216.83,15.22 216.84,15.05 216.85,14.87 216.87,14.68 216.91,14.47 216.98,14.24 218.44,14.21 218.41,15.67 218.18,15.74 217.97,15.78 217.78,15.8 217.6,15.81 217.43,15.82 217.26,15.85 217.1,15.9 216.93,15.98 216.74,16.1 216.54,16.28
Net-(D55-Pad1) on Bottom: 250.59,70.26 250.41,70.46 250.28,70.64 250.2,70.81 250.15,70.98 250.13,71.14 250.11,71.31 250.1,71.49 250.08,71.68 250.04,71.89 249.97,72.12 248.51,72.15 248.54,70.69 248.77,70.62 248.98,70.59 249.18,70.57 249.35,70.55 249.52,70.54 249.69,70.51 249.85,70.46 250.03,70.38 250.21,70.26 250.41,70.08
Net-(D56-Pad1) on Bottom: 236.39,51.21 236.21,51.41 236.08,51.59 236,51.76 235.95,51.93 235.93,52.09 235.91,52.26 235.9,52.44 235.88,52.63 235.84,52.84 235.77,53.07 234.31,53.1 234.34,51.64 234.58,51.57 234.79,51.54 234.98,51.52 235.16,51.5 235.33,51.49 235.49,51.46 235.66,51.41 235.83,51.33 236.01,51.21 236.21,51.03
Net-(D58-Pad2) on Bottom: 237.8,16.1 237.98,15.91 238.1,15.72 238.18,15.55 238.23,15.38 238.26,15.22 238.27,15.05 238.28,14.87 238.3,14.68 238.34,14.47 238.41,14.24 239.87,14.21 239.84,15.67 239.61,15.74 239.4,15.78 239.21,15.8 239.03,15.81 238.86,15.82 238.7,15.85 238.53,15.9 238.36,15.98 238.17,16.1 237.98,16.28
Net-(D61-Pad1) on Bottom: 258.36,16.86 258.35,16.59 258.31,16.37 258.24,16.18 258.16,16.03 258.06,15.89 257.96,15.76 257.84,15.62 257.72,15.46 257.61,15.28 257.5,15.06 258.54,14.04 259.52,15.13 259.4,15.34 259.27,15.51 259.14,15.66 259.03,15.79 258.91,15.92 258.81,16.05 258.73,16.2 258.67,16.38 258.63,16.59 258.61,16.86
Net-(D63-Pad2) on Bottom: 274.49,70.26 274.31,70.46 274.18,70.64 274.1,70.81 274.05,70.98 274.03,71.14 274.01,71.31 274,71.49 273.98,71.68 273.94,71.89 273.87,72.12 272.41,72.15 272.44,70.69 272.68,70.62 272.89,70.59 273.08,70.57 273.26,70.55 273.43,70.54 273.59,70.51 273.76,70.46 273.93,70.38 274.11,70.26 274.31,70.08
Net-(D64-Pad2) on Bottom: 265.5,54.96 265.49,54.69 265.45,54.47 265.39,54.28 265.3,54.13 265.21,53.99 265.1,53.86 264.98,53.72 264.87,53.56 264.75,53.38 264.64,53.16 265.69,52.14 266.66,53.23 266.54,53.44 266.41,53.61 266.29,53.76 266.17,53.89 266.06,54.02 265.96,54.15 265.87,54.3 265.81,54.48 265.77,54.69 265.75,54.96
Net-(D65-Pad2) on Bottom: 275.61,34.71 275.82,34.49 275.97,34.29 276.08,34.1 276.16,33.92 276.23,33.75 276.29,33.58 276.37,33.42 276.47,33.24 276.6,33.06 276.78,32.86 278.11,33.48 277.42,34.77 277.21,34.73 277.03,34.69 276.86,34.64 276.7,34.6 276.55,34.57 276.41,34.57 276.26,34.59 276.11,34.64 275.96,34.74 275.79,34.89
Net-(D66-Pad2) on Bottom: 277.45,16.85 277.43,16.58 277.39,16.37 277.33,16.19 277.25,16.03 277.15,15.9 277.04,15.77 276.92,15.64 276.8,15.49 276.68,15.31 276.56,15.1 277.57,14.04 278.59,15.1 278.47,15.31 278.35,15.49 278.23,15.64 278.11,15.77 278,15.9 277.9,16.03 277.82,16.19 277.76,16.37 277.71,16.58 277.7,16.85
Net-(D68-Pad1) on Bottom: 294.35,59.54 294.59,59.53 294.78,59.49 294.94,59.44 295.08,59.37 295.2,59.28 295.31,59.18 295.43,59.08 295.56,58.98 295.72,58.87 295.91,58.77 296.85,59.66 295.92,60.57 295.73,60.46 295.57,60.36 295.44,60.25 295.32,60.15 295.2,60.05 295.08,59.97 294.94,59.9 294.78,59.84 294.59,59.81 294.35,59.79
Net-(D70-Pad1) on Bottom: 294.38,14.48 294.65,14.47 294.86,14.42 295.04,14.36 295.2,14.28 295.33,14.18 295.46,14.07 295.59,13.95 295.74,13.83 295.92,13.71 296.13,13.59 297.19,14.61 296.13,15.62 295.92,15.5 295.74,15.38 295.59,15.26 295.46,15.14 295.33,15.03 295.2,14.93 295.04,14.85 294.86,14.79 294.65,14.75 294.38,14.73
Net-(D87-Pad1) on Bottom: 294.91,47.65 294.9,47.38 294.86,47.16 294.79,46.98 294.71,46.83 294.61,46.7 294.5,46.57 294.39,46.43 294.26,46.28 294.14,46.11 294.03,45.89 295.04,44.84 296.05,45.89 295.93,46.11 295.81,46.28 295.69,46.43 295.57,46.57 295.46,46.7 295.37,46.83 295.28,46.98 295.22,47.16 295.18,47.38 295.16,47.65
Net-(D88-Pad2) on Bottom: 249.14,33.53 249.4,33.52 249.62,33.47 249.8,33.41 249.95,33.33 250.09,33.23 250.22,33.12 250.35,33 250.5,32.88 250.68,32.76 250.89,32.64 251.94,33.66 250.89,34.67 250.68,34.55 250.5,34.43 250.35,34.31 250.22,34.19 250.09,34.08 249.95,33.98 249.8,33.9 249.62,33.84 249.4,33.79 249.14,33.78

Small or netless copper shapes (teardrops, artwork), in the pictures only: 52 on Top, 80 on Bottom

## Text on the board
B.Silkscreen: TS52K Keyboard R0.1 | (C) 2023 Ikebe Sadao https://github.com/sadaoikebe/ | 1
